# KiCad board FrontEnd_5G.kicad_pcb (continued)
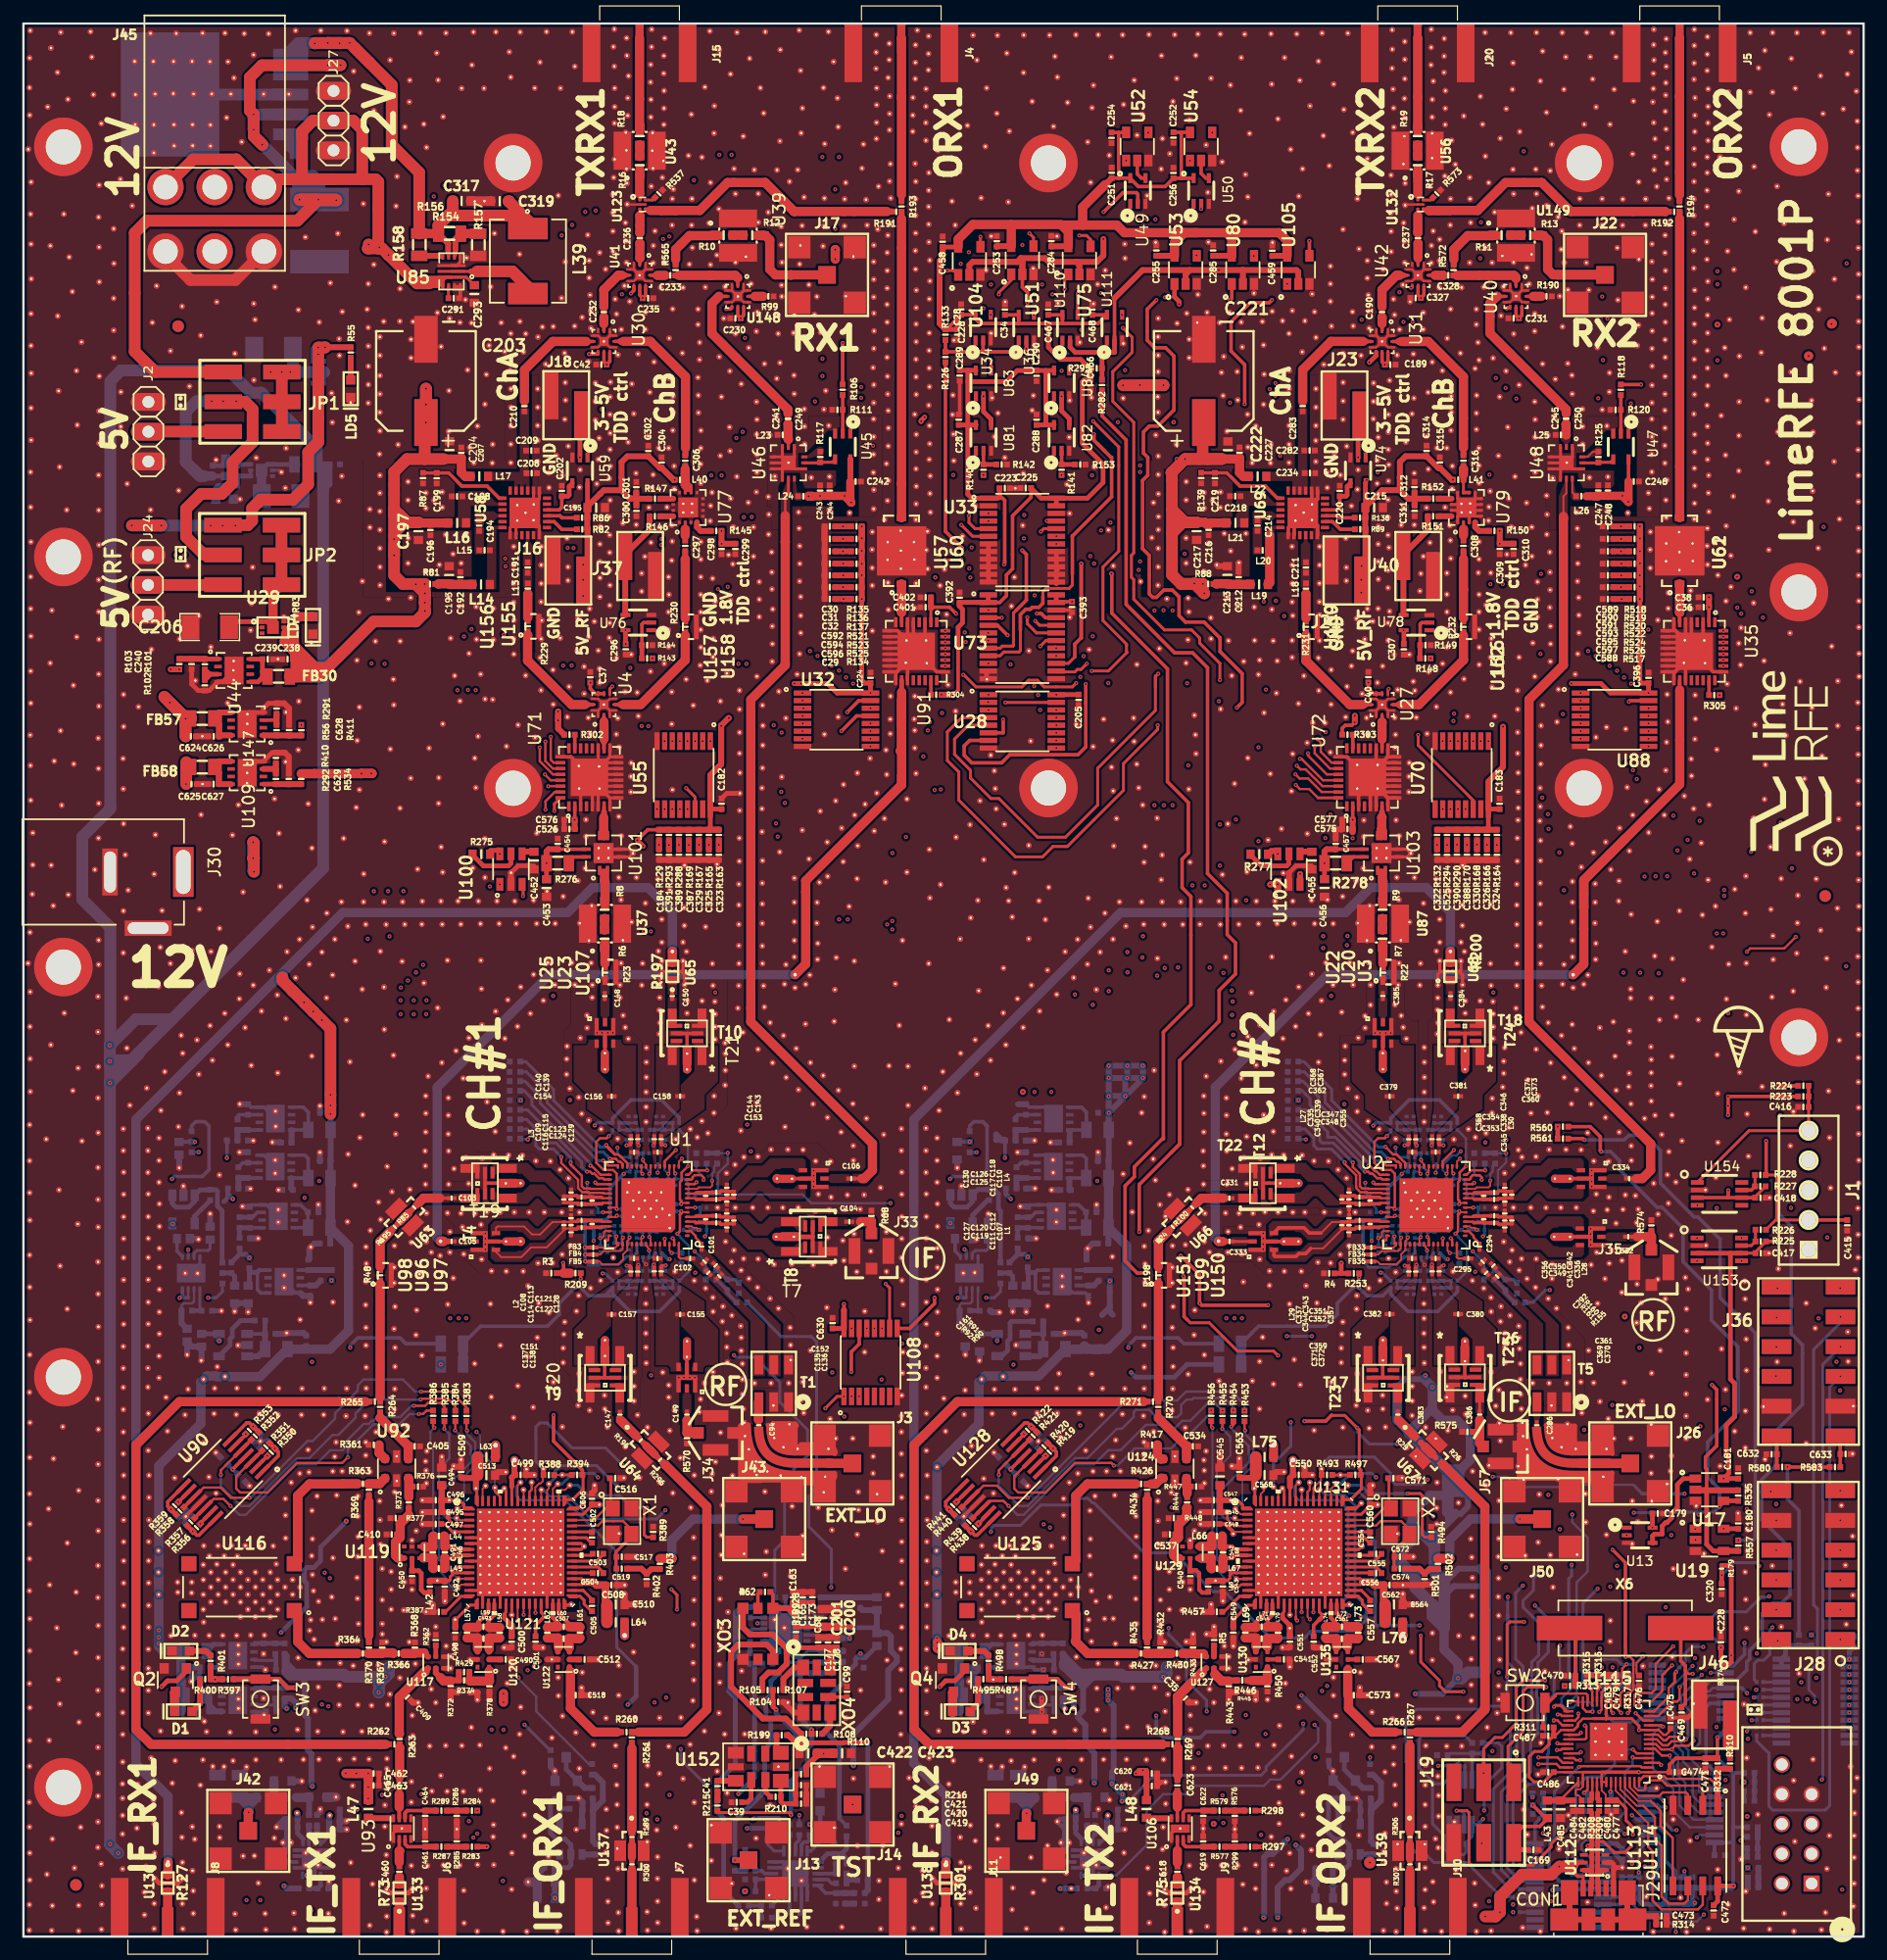
[diagram p0: board, top side]
## Footprints (pads in the part's own frame, mm; a bottom-side part is the same pattern mirrored in y, then rotated) (continued)
SC-88-6_NUP2202W1T2G
  rect 0.3x0.66 smd: 1(-0.65,-0.92) 2(0,-0.92) 3(0.65,-0.92) 4(0.65,0.92) 5(0,0.92) 6(-0.65,0.92)
SKY13330-397LF
  rect 0.44x0.2 smd: 1(-0.93,0.5) 2(-0.93,0) 3(-0.93,-0.5) 7(0.93,-0.5) 8(0.93,0) 9(0.93,0.5)
  rect 0.2x0.44 smd: 4(-0.5,-0.93) 5(0,-0.93) 6(0.5,-0.93) 10(0.5,0.93) 11(0,0.93) 12(-0.5,0.93)
  rect 0.76x0.76 smd: 13(0,0)
SMA_H
  rect 2.5x0.699 smd: 1(1.25,0)
  rect 5x1.496 smd: 2(0,-4.1) 3(0,4.1)
  rect 5x1.496 smd far side: 4(0,-4.1) 5(0,4.1)
SMA_H_142-0711-811
  rect 2.5x1 smd: 1(1.25,0)
  rect 5x1.496 smd: 2(0,-4.1) 3(0,4.1)
  rect 5x1.496 smd far side: 4(0,-4.1) 5(0,4.1)
SMA_vert_SMD
  rect 1.52x1.52 smd: 1(0,0)
  rect 1.91x1.91 smd: 2(-2.37,2.37) 3(-2.37,-2.37) 4(2.37,-2.37) 5(2.37,2.37)
SMD0201
  rect 0.3x0.35 smd: 1(-0.275,0) 2(0.275,0)
SMD0402
  rect 0.495x0.495 smd: 1(-0.45,0) 2(0.45,0)
SMD0603
  rect 0.7x0.8 smd: 1(-0.75,0) 2(0.75,0)
SMD0603#2
  rect 0.699x0.798 smd: 1(-0.546,0) 2(0.546,0)
SMD0603_gap04
  rect 0.699x0.798 smd: 1(-0.546,0) 2(0.546,0)
SMD0805
  rect 0.899x1.4 smd: 1(-0.953,0) 2(0.953,0)
SMD1206
  rect 1.524x2.032 smd: 1(-1.651,0) 2(1.651,0)
SMD2220
  rect 2x5 smd: 1(-2.65,0) 2(2.65,0)
SMD_RTX5032A
  rect 1.35x1 smd: 1(-1.925,-1.15) 4(1.925,-1.15) 6(1.925,1.15) 9(-1.925,1.15)
  rect 0.7x1.35 smd: 2(-0.6,-0.975) 3(0.6,-0.975) 7(0.6,0.975) 8(-0.61,0.975)
  rect 1.35x0.7 smd: 5(1.925,0) 10(-1.925,0.005)
SMD_TX-801
  rect 1.35x1.2 smd: 1(-1.925,-1.2) 9(-1.925,1.2)
  rect 0.7x1.35 smd: 2(-0.6,-1.125) 3(0.6,-1.125) 7(0.6,1.125) 8(-0.61,1.125)
  rect 1.35x1 smd: 4(1.925,-1.2) 6(1.925,1.2)
  rect 1.35x0.6 smd: 5(1.925,0)
  rect 1.35x0.7 smd: 10(-1.925,0.005)
SN74HCS594QPWRQ1
  rect 1.5x0.45 smd: 1(-2.9,2.275) 2(-2.9,1.625) 3(-2.9,0.975) 4(-2.9,0.325) 5(-2.9,-0.325) 6(-2.9,-0.975) 7(-2.9,-1.625) 8(-2.9,-2.275) 9(2.9,-2.275) 10(2.9,-1.625) 11(2.9,-0.975) 12(2.9,-0.325) 13(2.9,0.325) 14(2.9,0.975) 15(2.9,1.625) 16(2.9,2.275)
SN74LV1T04
  rect 0.85x0.35 smd: 1(-1.1,0.65) 2(-1.1,0) 3(-1.1,-0.65) 4(1.1,-0.65) 5(1.1,0.65)
SN74LV1T34
  rect 0.85x0.35 smd: 1(-1.1,0.65) 2(-1.1,0) 3(-1.1,-0.65) 4(1.1,-0.65) 5(1.1,0.65)
SN74LVC2T45DCTT
  rect 1.5x0.45 smd: 1(-1.9,0.975) 2(-1.9,0.325) 3(-1.9,-0.325) 4(-1.9,-0.975) 5(1.9,-0.975) 6(1.9,-0.325) 7(1.9,0.325) 8(1.9,0.975)
SN74LVC8T245QPWRQ1
  rect 1.5x0.45 smd: 1(-2.9,3.575) 2(-2.9,2.925) 3(-2.9,2.275) 4(-2.9,1.625) 5(-2.9,0.975) 6(-2.9,0.325) 7(-2.9,-0.325) 8(-2.9,-0.975) 9(-2.9,-1.625) 10(-2.9,-2.275) 11(-2.9,-2.925) 12(-2.9,-3.575) 13(2.9,-3.575) 14(2.9,-2.925) 15(2.9,-2.275) 16(2.9,-1.625) 17(2.9,-0.975) 18(2.9,-0.325) 19(2.9,0.325) 20(2.9,0.975) 21(2.9,1.625) 22(2.9,2.275) 23(2.9,2.925) 24(2.9,3.575)
SOT23_TPS22810DBVR
  rect 1.1x0.6 smd: 1(-1.3,0.95) 2(-1.3,0) 3(-1.3,-0.95) 4(1.3,-0.95) 5(1.3,0) 6(1.3,0.95)
SOT-23
  rect 0.8x0.9 smd: 1(-0.95,-1) 2(0.95,-1) 3(0,1)
SPM6530T-2R2M
  rect 1.85x3.4 smd: 1(-2.775,0) 2(2.775,0)
TC1-1-13M+
  rect 0.759x1.648 smd: 1(1.271,-1.585) 2(0.001,-1.585) 3(-1.269,-1.585) 4(-1.269,1.592) 6(1.271,1.592)
TCA9406DCTR
  rect 1.1x0.4 smd: 1(-1.9,0.975) 2(-1.9,0.325) 3(-1.9,-0.325) 4(-1.9,-0.975) 5(1.9,-0.975) 6(1.9,-0.325) 7(1.9,0.325) 8(1.9,0.975)
TCM1-63AX+
  rect 0.76x1.65 smd: 1(-1.27,1.59) 2(0,1.59) 3(1.27,1.59) 4(1.27,-1.59) 5(0,-1.59) 6(-1.27,-1.59)
TMP36GRTZ-REEL7
  rect 0.9x0.6 smd: 1(-1.3,0.95) 2(-1.3,0) 3(-1.3,-0.95) 4(1.3,-0.95) 5(1.3,0.95)
TPS62136RGXT
  rect 2.4x0.25 smd: 1(0,0.5) 2(0,0) 3(0,-0.5)
  rect 0.25x0.6 smd: 4(-0.75,-1.3) 5(-0.25,-1.3) 6(0.25,-1.3) 7(0.75,-1.3) 8(0.75,1.3) 9(0.25,1.3) 10(-0.25,1.3) 11(-0.75,1.3)
TQL9063
  rect 0.67x0.3 smd: 1(-0.885,0.75) 2(-0.885,0.25) 3(-0.885,-0.25) 4(-0.885,-0.75) 5(0.885,-0.75) 6(0.885,-0.25) 7(0.885,0.25) 8(0.885,0.75)
  rect 0.7x1.6 smd: 9(0,0)
TSM-102-04-T-SV
  rect 1.2x4 smd: 1(-1.27,0.8) 2(1.26,-0.8)
TSM-103-04-F-DV
  rect 3.2x1.27 smd: 1(-2.575,2.575) 2(2.575,2.575) 3(-2.575,0) 4(2.575,0) 5(-2.575,-2.54) 6(2.575,-2.54)
TSS-53LNB3+
  rect 0.51x0.25 smd: 1(-1.355,0.51) 2(-1.355,0) 3(-1.355,-0.51) 7(1.355,-0.51) 8(1.355,0) 9(1.355,0.51)
  rect 0.25x0.51 smd: 4(-0.51,-1.355) 5(0,-1.355) 6(0.51,-1.355) 10(0.51,1.355) 11(0,1.355) 12(-0.51,1.355)
  rect 1.25x1.25 smd: 13(0,0)
TSS-105-01-G-D-09
  rect 1.37x1.37 hole 1.02: 1(0,0)
  round 1.37 hole 1.02: 2(0,2.54) 3(2.54,0) 4(2.54,2.54) 5(5.08,0) 6(5.08,2.54) 7(7.62,0) 8(7.62,2.54) 10(10.16,2.54)
U-DFN3030-8
  rect 0.3x0.65 smd: 1(0.975,1.375) 2(0.325,1.375) 3(-0.325,1.375) 4(-0.975,1.375) 5(-0.975,-1.375) 6(-0.325,-1.375) 7(0.325,-1.375) 8(0.975,-1.375)
  rect 2.35x1.6 smd: 9(0,0)
U-DFN3030-8#2
  rect 0.65x0.3 smd: 1(-1.375,0.975) 2(-1.375,0.325) 3(-1.375,-0.325) 4(-1.375,-0.975) 5(1.375,-0.975) 6(1.375,-0.325) 7(1.375,0.325) 8(1.375,0.975)
  rect 1.6x2.35 smd: 9(0,0)
UMC_SMD
  rect 1x1 smd: 1(0,-1.5) 3(0,1.5)
  rect 1x2.2 smd: 2(1.45,0) 4(-1.45,0)
USB-MINI-B
  rect 0.45x1.38 smd: 1(-1.3,2.66) 2(-0.65,2.66) 3(0,2.66) 4(0.65,2.66) 5(1.3,2.66)
  rect 2.375x1.9 smd: 6(-2.91,0) 6(2.91,0)
  rect 1.475x2.1 smd: 6(-2.462,2.3) 6(2.462,2.3)
  rect 1.175x1.9 smd: 6(-0.84,0) 6(0.84,0)
VIA_600_400
  round 0.5 hole 0.2: (0,0)
VIA_600_400#9
  round 0.7 hole 0.4: (0,0)
VIA_600_400#10
  round 0.6 hole 0.3: (0,0)
VIA_600_400#2
  round 0.5 hole 0.2: (0,-0.8)
VIA_600_400#4
  round 0.5 hole 0.2: (0,0.8)
VIA_600_400#5
  round 0.5 hole 0.2: (-0.8,0)
VIA_600_400#6
  round 0.5 hole 0.2: (0.8,0)
VIA_600_400#7
  round 0.5 hole 0.2: (-0.53,0)
VIA_600_400#8
  round 0.5 hole 0.2: (0,-2)
W25Q128JVSIM
  rect 1.6x0.55 smd: 1(-3.44,1.905) 2(-3.44,0.635) 3(-3.44,-0.635) 4(-3.44,-1.905) 5(3.44,-1.905) 6(3.44,-0.635) 7(3.44,0.635) 8(3.44,1.905)
XDL15-2-020S
  rect 1.3x1.3 smd: 1(-4.5,2) 2(-4.5,-2) 3(4.5,-2) 4(4.5,2)

## Nets
+1.8V: C223.1 C287.2 C288.2 C289.2 C290.2 C296.2 C307.2 R534.2 U33.1 U76.5 U78.5 U81.5 U82.5 U83.5 U84.5
+1.8V_#1: FB7.1 FB11.2 FB12.2 R53.2 R98.2
+1.8V_#2: FB37.1 FB41.2 FB42.2 R404.2 R533.2
+1.8V_PLL_#1: C86.1 FB1.1 FB2.1 FB8.2 FB13.2 R39.1 R40.1
+1.8V_PLL_#2: C617.1 FB31.1 FB32.1 FB38.2 FB43.2 R568.1 R569.1
+1.8V_SC1905_#1: C492.1 C494.2 C495.1 C496.2 C500.1 C506.2 L42.1 L63.1 L64.1 R47.2 R398.2 Ref**#118. Ref**#298. Ref**#305. Ref**#309. Ref**#310. Ref**#314. Ref**#346. U121.1 U121.4 U121.11 U121.12 U121.22 U121.47
+1.8V_SC1905_#2: C543.1 C545.2 C546.1 C547.2 C551.1 C560.2 L65.1 L75.1 L76.1 R348.2 R499.2 Ref**#317. Ref**#337. Ref**#345. Ref**#352. Ref**#353. Ref**#358. Ref**#419. Ref**#3133. U131.1 U131.4 U131.11 U131.12 U131.22 U131.47
+1.25V_PLL_#1: FB3.1 FB4.1 FB5.1 FB6.1 FB9.2 FB10.2 FB14.2 FB15.2 R50.2
+1.25V_PLL_#2: FB33.1 FB34.1 FB35.1 FB36.1 FB39.2 FB40.2 FB44.2 FB45.2 R571.2
+1.33V_#1: R52.2 R93.2
+1.33V_#2: R409.2 R532.2
+3.3V_#1: R1.2 R54.2 R207.2 R209.2 R211.2 R425.2 R428.2
+3.3V_#2: R130.2 R251.2 R253.2 R255.2 R365.2 R412.2 R556.2
+3.3V_CLKGEN_#1: C66.1 C159.2 FB29.1 R201.1 U16.5
+3.3V_CLKGEN_#2: C614.1 U145.5
+3.3V_SC1905_#1: C397.2 C398.2 C406.2 C407.2 C408.2 C497.1 C498.1 C499.2 C501.1 C520.1 C521.2 C522.1 C523.2 IC1.1 IC1.4 R46.2 R379.1 R388.2 R394.2 R397.2 R400.2 R401.2 Ref**#114. Ref**#115. Ref**#281. Ref**#286. Ref**#287. Ref**#3166. Ref**#3167. U90.4 U118.2 U121.5 U121.17 U121.23 U121.28 U121.58
+3.3V_SC1905_#2: C527.2 C528.2 C529.2 C530.2 C533.2 C548.1 C549.1 C550.2 C552.1 C565.1 C566.2 C569.1 C570.2 IC2.1 IC2.4 R347.2 R436.1 R487.2 R493.2 R495.2 R497.2 R498.2 Ref**#332. Ref**#348. Ref**#356. Ref**#417. Ref**#529. Ref**#831. Ref**#1187. Ref**#1188. Ref**#3124. Ref**#3132. U126.2 U128.4 U131.5 U131.17 U131.23 U131.28 U131.58
+3V_RF: C242.2 C243.1 C244.1 C246.2 C247.1 C248.1 L24.1 L26.1 R103.2 U45.5 U47.5
+5V: C36.1 C38.1 C43.1 C44.1 C51.1 C52.1 C53.1 C63.1 C185.1 C186.1 C393.1 C401.1 C402.1 C447.1 C448.1 C449.1 C526.1 C575.1 C576.1 C577.1 C609.1 C624.1 C625.1 FB17.1 FB18.1 FB19.1 FB20.1 FB21.1 FB23.1 FB24.1 FB46.1 FB53.1 FB54.1 FB55.1 FB56.1 FB57.1 FB58.1 JP2.1 R55.1 Ref**#1202. Ref**#1203. Ref**#1204. Ref**#1205. Ref**#1206. Ref**#1207. Ref**#1232. Ref**#1233. Ref**#1234. Ref**#1513. Ref**#1514. U14.4 U14.5 U35.2 U71.2 U72.2 U73.23 U73.24 U91.2
+5V_DCDC: C318.1 JP1.1 R159.1 R162.2 U86.4
+5V_PWR: C57.1 JP1.2 JP1.4 JP1.6 U14.1
+5V_RF: C195.1 C196.1 C197.1 C203.1 C204.1 C207.1 C215.1 C216.1 C217.1 C221.1 C222.1 C227.1 C238.1 C298.2 C299.2 C300.1 C301.2 C302.2 C304.2 C309.2 C310.2 C311.1 C312.2 C314.2 C315.2 C462.2 C463.2 C620.2 C621.2 FB30.1 J16.2 J21.2 L16.1 L17.1 L21.1 L22.1 L40.1 L41.1 L47.1 L48.1 R81.2 R82.2 R83.1 R86.2 R88.2 R89.2 R138.2 R145.1 R147.2 R150.1 R152.2 U29.4 U29.5 U59.5 U74.5 U100.1 U102.1
+5V_USB: C87.1 C88.1 C90.1 JP1.3 JP2.3 R51.1 U15.4 U15.5
+12V: C293.2 J27.2 J30.1 J45.1 J45.3 U85.1 U85.8
/Clocks/VDD_CKBUF_#1: C174.2 C175.1 C176.1 R116.1 U21.9
/Clocks/VDDO_CKBUF_#1: C164.1 C166.2 C168.1 R115.1 U21.4 U21.14
/LMS8001_RF/VDDTX_#1: FB25.1 FB26.1 FB27.1 FB28.1 R93.1 R98.1
/LMS8001_RF/VDDTX_#2: FB48.1 FB49.1 FB50.1 FB51.1 R532.1 R533.1
/RP2040_MCU/VDD_CON_J1: C415.1 J1.2 R224.2 R226.1 R228.1
/RP2040_MCU/VDD_CON_J28: R174.2 R179.1 R206.1 R218.1
/RP2040_MCU/VDD_CON_J36: R580.2 R583.1 R595.1
